# KiCad board noraneko42c.kicad_pcb (continued)
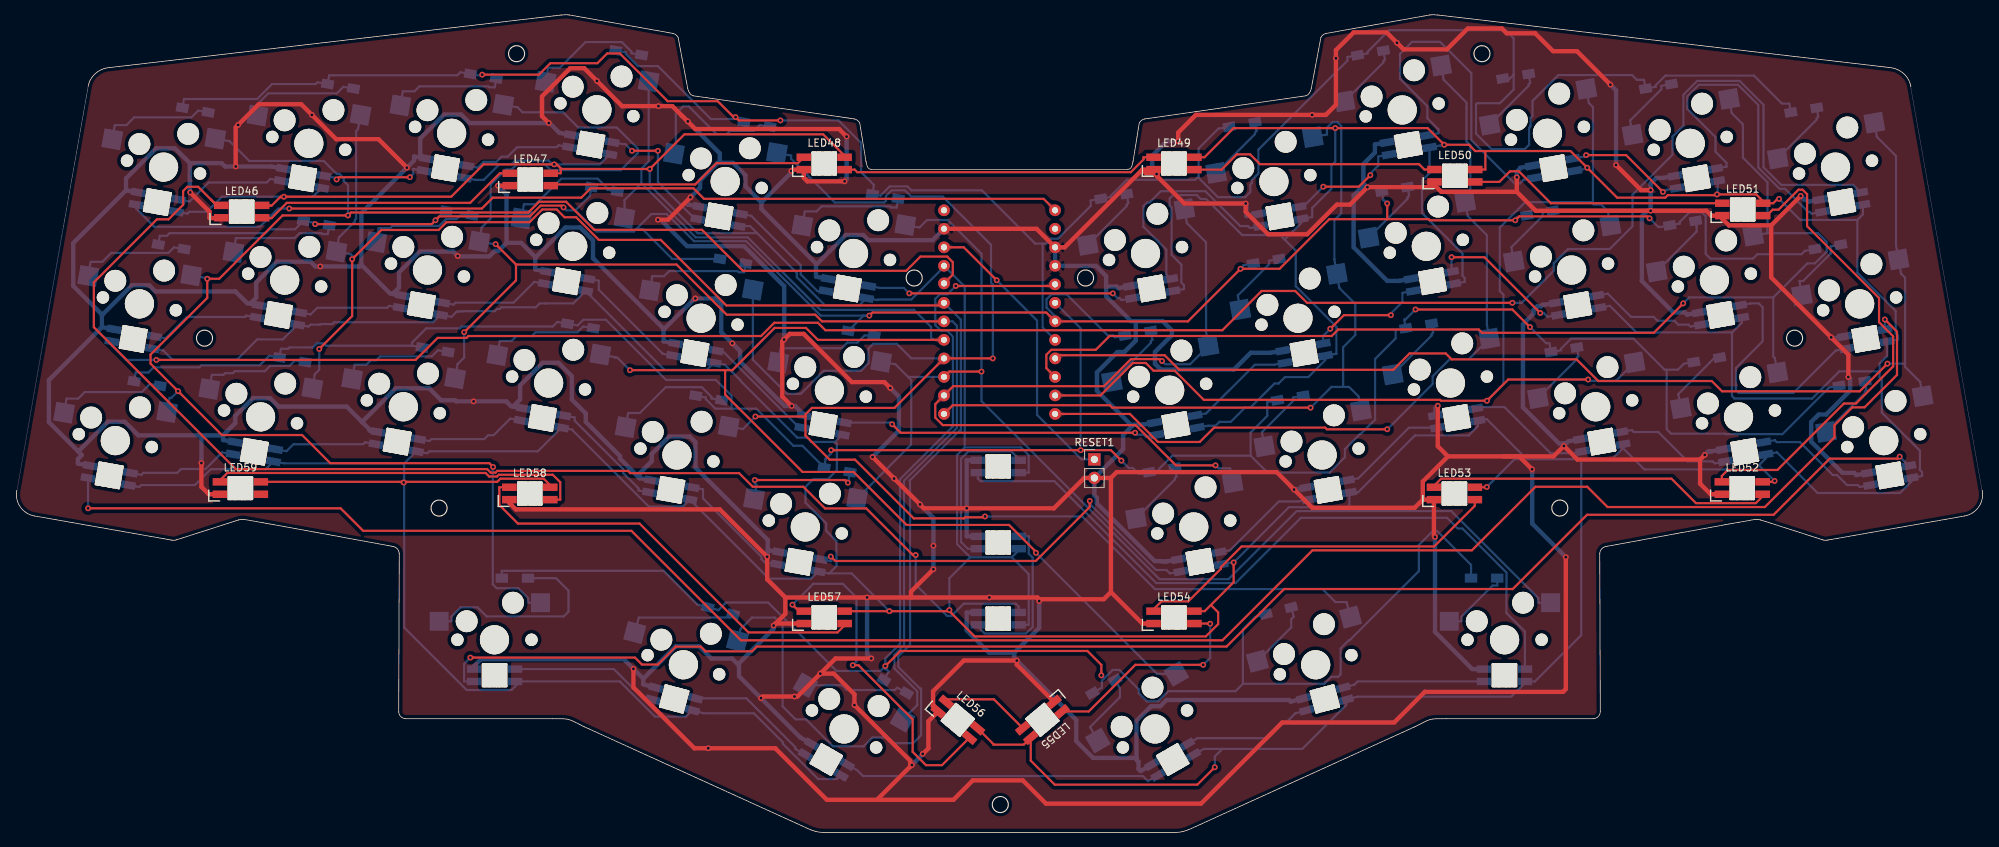
[diagram p0: board, top side]
## Routing (per net, layer and track width the routed paths; a pad name or vN(x,y) marks a point on that pad's centre or on a via; arc(x,y) is an arc through that point) (continued)
VCC: length 1298.9
  Top w0.3: 74.91,91.02 v1(87.11,91.02) 91.87,95.78 110.89,95.78 113.84,92.83 ; 74.91,91.02 74.91,90.44 LED47.1 ; 74.91,91.02 74.91,91.12 74.37,91.66 v1(74.01,91.66) 64.32,91.66 59.88,87.22 v1(36.93,87.22) 36.48,87.22 35.24,85.99 35.08,85.99 ; v1(53.36,48.01) 53.36,48.1 ; 53.36,48.1 LED59.1 ; 53.36,48.1 66.19,48.1 66.62,48.53 72.57,48.53 73.46,47.64 ; 35.08,85.99 33.86,85.99 ; 35.08,85.99 33.99,85.99 ; 164.07,31.2 163.23,30.36 LED54.1 ; 164.07,31.2 165.07,30.2 165.07,28.59 163.38,26.89 131.67,26.89 128.21,30.36 ; 164.07,31.2 167.19,34.33 v1(167.19,37.04) ; LED52.1 241.13,48.1 241.25,48.22 v1(241.39,48.22) ; LED57.1 119.98,30.36 v1(119.98,30.36) 119.98,30.36 128.21,30.36 ; LED49.1 163.19,92.64 167.18,96.63 v1(181.13,96.63) 193.8,96.63 v1(196.08,94.35) 199.47,94.35 200.33,93.48 201.71,93.48 ; v1(242,86.92) 241.79,86.92 241.19,86.33 LED51.1 ; LED56.1 134.26,12.11 134.26,12.05 138.41,12.05 LED55.1 139.37,9.84 142.65,6.56 162.22,6.56 v1(164.61,8.95) ; 128.21,30.36 v1(128.21,30.51) ; 201.71,93.48 213.4,93.48 v1(215.69,91.19) 219.79,87.09 226.39,87.09 226.72,87.43 233.38,87.43 v1(233.49,87.53) 238.87,87.53 239.81,86.59 ; 201.71,93.48 201.71,90.95 LED50.1 ; LED53.1 201.65,47.36 201.69,47.4 v1(201.91,47.4)
  Bottom w0.3: LED23.1 236.88,69.91 235.57,68.6 ; LED22.1 218.8,72.25 222.45,68.6 235.57,68.6 ; 53.44,50.63 53.44,48.01 ; 53.44,50.63 LED27.1 56.6,52.02 56.87,52.29 71.76,52.29 LED28.1 76.51,55.26 76.51,55.18 86.99,44.71 91.65,44.71 LED29.1 103.46,34.82 109.22,34.82 LED30.1 111.71,35.53 ; 53.44,50.63 37,50.63 LED26.1 34.42,49.84 26.91,49.84 24.73,47.66 17.37,47.66 17.1,47.39 LED25.1 ; 53.44,48.01 53.44,28.11 62,19.54 68.15,19.54 69.32,20.71 83.01,20.71 87.84,15.89 92.07,15.89 LED38.1 94.51,16.34 101.39,16.34 105.37,12.37 105.37,12.16 110.2,7.33 112.8,7.33 LED39.1 ; 53.44,48.01 v1(53.36,48.01) ; 235.57,68.6 235.54,68.57 235.54,59.88 235.89,59.53 246.53,59.53 250.26,63.26 255.79,63.26 ; 111.71,35.53 114.8,35.53 v1(119.98,30.36) ; 111.71,35.53 112.72,36.54 112.72,39.97 111.32,41.37 111.32,42.4 108.47,45.25 108.47,47.41 109.55,48.49 111.56,48.49 112.77,49.69 112.77,53.32 112.52,53.58 ; v1(128.21,30.51) 128.21,34.89 131.07,37.75 ; 220.59,52.73 LED34.1 ; 220.59,52.73 223.51,49.8 238.66,49.8 239.24,50.37 ; 220.59,52.73 219.08,51.21 214.86,51.21 ; 252.74,84.04 252.74,76.8 257.99,71.54 257.99,68.48 258.31,68.16 258.31,67.62 LED24.1 256.8,65.36 255.79,64.35 255.79,63.26 ; 252.74,84.04 244.88,84.04 v1(242,86.92) ; 252.74,84.04 253.49,84.79 LED12.1 ; 36.92,87.22 40.91,87.22 LED2.1 ; 36.92,87.22 28.43,87.22 26.36,85.15 23.97,85.15 23.71,84.89 LED1.1 ; 36.92,87.22 v1(36.93,87.22) ; 174.19,81.34 173.56,81.96 168.36,81.96 163.42,86.91 162.67,86.91 162.14,87.44 158.87,87.44 158.42,86.98 158.42,86 158.68,85.75 158.68,79.25 160.03,77.9 160.03,75.43 160.37,75.08 160.37,74.54 LED7.1 ; 174.19,81.34 176.45,83.6 LED8.1 177.97,84.43 177.97,85.67 180.6,88.31 180.6,91.52 181.13,92.05 v1(181.13,96.63) ; 174.19,81.34 175.7,79.82 175.7,74.94 181.28,69.36 181.28,65.67 LED20.1 179.77,64.81 177.43,62.47 174.24,62.47 173.35,61.59 172.79,61.59 169.5,58.29 168.75,58.29 166.78,56.33 165.24,56.33 164.71,55.8 163.69,55.8 LED19.1 ; 207.28,51.21 207.28,51.32 201.89,56.72 LED33.1 200.68,55.73 199.42,54.47 192.06,54.47 184.24,46.64 LED32.1 183.07,44.96 182.73,44.61 178.44,44.61 178.44,44.61 176.5,44.61 176.5,44.61 174.77,44.61 v1(167.19,37.04) 166.99,37.04 LED31.1 ; 207.28,51.21 205.73,51.21 v1(201.91,47.4) ; 207.28,51.21 214.86,51.21 ; 101.84,82.21 107.28,76.77 107.28,76.18 111.18,72.28 115.8,72.28 LED6.1 118.34,73.03 118.41,73.11 122.98,73.11 127.54,77.67 130.31,74.89 130.31,52.83 ; 101.84,82.21 93.7,82.21 87.11,88.8 v1(87.11,91.02) ; 101.84,82.21 100.87,83.19 LED5.1 ; 165.65,11.46 164.61,10.42 v1(164.61,8.95) ; 165.65,11.46 176.61,11.46 182.63,17.48 LED41.1 184.19,18.63 205.28,18.63 207.13,20.48 ; 165.65,11.46 163.09,11.46 LED40.1 ; 112.52,53.58 LED18.1 ; 112.52,53.58 109.25,53.58 108.66,54.17 107.34,54.17 99.61,61.9 99.61,61.98 97.42,64.16 LED17.1 94.94,63.46 89.14,63.46 LED16.1 76.6,72.58 72.85,72.58 72.85,72.58 72.02,72.58 71.49,72.05 66.76,72.05 66.53,71.81 66.16,71.81 65.87,71.52 61.41,71.52 61.37,71.48 60.92,71.48 60.9,71.47 60.64,71.47 59.91,70.74 LED15.1 57.38,69.99 43.84,69.99 43.59,69.74 41.97,69.74 41.9,69.67 40.58,69.67 40.31,69.4 LED14.1 36.76,67.63 33.27,67.63 30.51,64.87 21.63,64.87 20.39,66.11 LED13.1 ; 214.86,51.21 214.86,27.06 208.51,20.71 LED42.1 ; LED10.1 215.49,91.04 215.54,91.04 v1(215.69,91.19) ; LED43.1 139.09,49.36 139.09,51.75 138.01,52.83 130.31,52.83 ; LED3.1 63.21,89.53 64.36,89.53 66.48,91.66 68.11,91.66 68.64,92.19 73.24,92.19 73.77,91.66 v1(74.01,91.66) 80.25,91.66 LED4.1 ; 136.77,37.75 137.71,38.69 ; 136.77,37.75 139.09,35.43 139.09,28.48 LED45.1 ; 136.77,37.75 131.07,37.75 ; 131.07,37.75 129.27,39.54 129.27,51.79 130.31,52.83 ; LED21.1 198.88,75.53 198.88,76.07 198.58,76.38 198.58,79.43 193.03,84.98 193.03,89.44 194.06,90.47 LED9.1 195.57,94.25 195.98,94.25 v1(196.08,94.35) ; 239.24,50.37 v1(241.39,48.22) ; 239.24,50.37 240.19,51.33 LED35.1 241.7,52.14 247.28,46.57 258.57,46.57 260.09,48.09 LED36.1 261.61,48.9 261.61,49.44 261.31,49.73 261.31,52.37 256.08,57.6 256.08,62.12 255.79,62.41 255.79,63.26 ; LED11.1 233.57,87.62 v1(233.49,87.53)
COL0: length 237.8
  Top w0.3: v1(65.63,50.14) 65.1,50.66 43.3,50.66 39.43,54.52 28.44,54.52 v1(22.42,60.54) 18.65,64.31 18.65,65.56 26.42,73.34 v1(26.42,75.96) 28.07,75.96 36.75,84.65 v1(45.73,84.65) 46.13,85.05 70.45,85.05 71.93,86.53 75.64,86.53 79.5,82.68 94.27,82.68 99.9,77.05 122.28,77.05 124.24,79.01 127.91,79.01 128.67,78.24 128.67,76.53 U1.20
  Bottom w0.3: SW1.1 29.48,94.84 32.19,92.12 42.4,92.12 44.15,90.37 44.55,90.37 45.13,89.78 45.13,89.39 45.73,88.79 v1(45.73,84.65) ; v1(22.42,60.54) 21.49,59.61 21.26,59.61 SW25.1 ; SW37.1 70.45,31.51 70.45,32.14 69.09,33.5 66.12,33.5 65.59,34.03 65.59,50.1 v1(65.63,50.14) ; v1(26.42,75.96) 26.28,75.96 26.17,76.08 SW13.1
COL1: length 239.2
  Top w0.3: 127.12,72.3 97.61,72.3 88.62,81.3 80.13,81.3 77.02,84.41 75.41,84.41 74.35,85.47 72.37,85.47 70.62,83.72 59.23,83.72 58.16,82.66 50.3,82.66 v1(46.3,78.65) 46.3,70.84 v1(41.78,66.33)
  Bottom w0.3: 40.83,60.92 41.17,62.87 41.78,63.47 v1(41.78,66.33) ; v1(46.3,78.65) 46.3,79.13 46.09,79.34 SW14.1 44.48,81.63 46.68,83.82 46.68,84.04 46.85,84.21 46.85,96.24 47.1,96.5 SW2.1 ; U1.19 129.78,70.35 129.78,55.14 129.62,55.14 122.75,48.27 122.81,48.21 122.81,25.75 121.2,24.15 121.2,22.71 124.17,19.74 124.33,19.74 124.33,13.34 123.24,12.25 120.43,12.25 119.65,13.03 117.65,13.03 116.44,11.82 112.23,11.82 108.54,15.51 107.11,15.51 105.33,17.29 105.33,28.41 104.25,29.48 101.14,29.48 99.58,27.92 SW38.1
COL2: length 201.3
  Top w0.3: 127.47,70.12 110.74,70.12 109.82,71.03 97.66,71.03 90.78,77.91 68.77,77.91 ; 68.77,77.91 v1(65.97,80.71) ; 68.77,77.91 68.77,75.74 v1(61.66,68.63)
  Bottom w0.3: SW3.1 68.98,99.48 69.67,98.8 75.23,98.8 77.32,96.71 82.59,96.71 85.48,93.83 85.48,93.21 83.12,90.86 73.55,90.86 72.75,91.66 68.86,91.66 68.16,90.95 67.38,90.95 65.29,88.86 65.29,84.23 64.07,83.01 SW15.1 65.67,80.72 65.96,80.72 v1(65.97,80.71) ; SW27.1 60.76,64.25 61.66,65.15 v1(61.66,68.63) ; 127.47,70.12 128.64,70.12 129.25,69.51 129.25,55.51 121.99,48.25 121.99,25.68 120.67,24.36 120.67,22.49 123.8,19.36 123.8,17.47 SW39.1
COL3: length 203.5
  Top w0.3: v1(84.39,63.42) 97.45,63.42 ; 97.45,63.42 97.45,60.07 108.06,49.46 115.06,49.46 122.33,42.19 136.39,42.19 140.08,38.5 v1(140.08,38.37) ; 97.45,63.42 98.44,63.42 104.24,69.22 108.54,69.22 110.18,67.58 U1.17
  Bottom w0.3: 85.97,89.08 93.4,81.64 100.56,81.64 110.51,71.7 123.35,71.7 125.7,69.35 125.7,67.92 126.04,67.58 U1.17 ; 85.97,89.08 83.65,86.75 SW16.1 ; 85.97,89.08 85.97,91.07 86.96,92.06 SW4.1 ; v1(140.08,38.37) 156.69,21.75 159.33,21.75 ; SW28.1 82.28,65.22 82.36,65.15 82.67,65.15 v1(84.39,63.42)
COL4: length 223.8
  Top w0.3: v1(133.1,43.35) 132.98,43.23 130.36,43.23 130.22,43.09 123.32,43.09 115.27,51.14 111.79,51.14 108.47,54.46 108.47,57.06 ; v1(134.16,65.04) U1.16 120.68,58.25 109.36,58.25 108.47,57.36 108.47,57.06 ; 108.47,57.06 v1(101.6,57.06)
  Bottom w0.3: v1(101.6,57.06) 99.89,55.35 SW29.1 ; v1(134.16,65.04) 134.16,75.19 133.92,75.43 133.92,80.62 127.3,87.24 122.97,87.24 122.12,88.1 120.28,88.1 119.51,87.32 119.51,86.65 119.28,86.42 112.5,86.42 106.5,92.42 106.5,92.87 SW5.1 ; SW17.1 101.25,64.86 105.94,60.18 107.82,60.18 110.98,63.34 116.07,63.34 117.11,64.38 117.11,66.39 117.76,67.04 120.99,67.04 122.99,65.04 U1.16 ; v1(133.1,43.35) 146.43,43.35 156.4,33.38 179.39,33.38 181.16,31.6 182.67,31.6 SW41.1
COL5: length 165.4
  Top w0.3: U1.15 128.2,63.23 v1(132.61,63.23)
  Bottom w0.3: 122.53,62.5 120.8,64.23 SW18.1 ; 122.53,62.5 122.98,62.05 122.98,54.97 122.95,54.94 122.95,53.22 115.54,45.81 ; 122.53,62.5 U1.15 ; SW6.1 124.11,82.99 125.13,84.02 127.99,84.02 132.61,79.4 v1(132.61,63.23) 132.61,59.16 157.03,34.74 166.48,34.74 175.83,44.09 176.28,44.09 197.04,44.09 208.98,32.14 208.98,31.51 SW42.1
COL6: length 108.4
  Top w0.3: v1(157.37,64.67) 157.11,64.94 153.11,64.94 149.4,61.23 128.74,61.23 U1.14 126.27,58.76 126.27,56.91 127.3,55.88 153.75,55.88 159.27,50.36 v1(164.71,50.36)
  Bottom w0.3: SW7.1 160.79,83.58 163.41,80.96 163.41,68.71 SW19.1 161.21,64.23 157.81,64.23 v1(157.37,64.67) ; SW31.1 166.72,49.95 165.11,49.95 v1(164.71,50.36)
COL7: length 104.4
  Top w0.3: v1(177.75,58.28) 150.55,58.28 150.22,58.61 128.66,58.61 U1.13
  Bottom w0.3: SW8.1 179.99,95.75 179.99,96.68 180.76,97.45 181.43,97.45 181.95,96.93 181.95,84.95 181.01,84.01 181.01,78.59 181.7,74.7 183.88,72.51 183.88,68.25 182.21,66.58 182.21,61.13 ; v1(177.75,58.28) 180.6,61.13 182.21,61.13 ; 182.21,61.13 183.02,61.13 184.32,59.83 SW32.1
COL8: length 107.3
  Top w0.3: v1(188.26,55.31) 179.97,55.31 179.74,55.54 164.51,55.54 162.54,53.57 156.81,53.57 152.96,57.42 U1.12
  Bottom w0.3: SW21.1 199.3,84.57 201.92,81.95 201.92,69.7 SW33.1 199.45,64.94 196.85,64.94 194.49,62.58 194.49,61.54 v1(188.26,55.31) ; SW9.1 195.99,103.27 199.13,100.13 199.13,99.38 199.13,94.79 199.66,94.26 199.66,87.22
COL9: length 145.4
  Top w0.3: U1.11 148.93,59.96 153.39,64.41 155.14,64.41 156.21,63.35 159.1,63.35 163.1,59.35 195.5,59.35 195.63,59.23 v1(201.93,59.23) 204.84,62.14 v1(215.81,62.14)
  Bottom w0.3: v1(215.81,62.14) 215.99,61.96 219.64,61.96 SW34.1 ; 216.31,86.39 216.23,86.47 207.19,86.47 203.75,83.04 203.75,83.01 203.69,82.95 203.69,74.29 204.19,73.79 204.19,61.49 v1(201.93,59.23) ; 216.31,86.39 216.47,86.56 216.47,99.51 215.91,100.07 SW10.1 ; 216.31,86.39 216.39,86.31 216.55,86.16 217.58,86.16 218.53,85.2 SW22.1
COL10: length 159.6
  Top w0.3: v1(228.85,72.59) 224.81,68.54 201.27,68.54 200.81,69 181.54,69 180.64,68.11 150.18,68.11 148.28,66.22 142.19,66.22 141.51,65.53 141.51,63.7 U1.10
  Bottom w0.3: 241.2,73.4 229.66,73.4 v1(228.85,72.59) ; 241.2,73.4 241.2,65.29 241.43,65.06 SW35.1 ; 241.2,73.4 245.87,78.07 246.91,78.07 248.53,79.69 248.53,81.03 247.34,82.22 240.41,82.22 ; 240.41,82.22 240.41,89.21 237.03,92.59 237.03,97.16 235.5,98.69 SW11.1 ; 240.41,82.22 SW23.1
COL11: length 161.4
  Top w0.3: 143.14,65.47 157.73,65.47 159.73,63.47 189.08,63.47 191.32,65.72 196.28,65.72 197.09,64.91 214.23,64.91 217.2,61.93 232.77,61.93 234.18,60.52 253.07,60.52 v1(256.86,64.32)
  Bottom w0.3: 259.28,64.32 v1(256.86,64.32) ; 259.28,64.32 259.28,76.11 258.72,76.67 SW24.1 258.04,80.56 258.04,92.81 255.42,95.43 SW12.1 ; 259.28,64.32 259.28,63.87 261.35,61.8 SW36.1
LED: length 131.1
  Top w0.3: U1.1 141.14,86.92 94.56,86.92 93.11,88.38 79.02,88.38 77.73,87.09 65.58,87.09 64.08,85.6 v1(37.67,85.6)
  Bottom w0.3: LED1.4 16.68,85.57 19.16,83.09 33.64,83.09 36.15,85.6 v1(37.67,85.6)
reset: length 40.3
  Top w0.3: U1.22 130.18,80.28 v1(134.7,75.76)
  Bottom w0.3: RESET1.1 146.34,51.18 140.23,57.28 140.23,70.22 v1(134.7,75.76)
ROW0: length 340.2
  Top w0.3: v1(105.04,97.68) 99.33,97.68 v1(98.88,98.14) 98.62,98.14 96.43,100.32 89.57,100.32 83.02,106.88 81.27,106.88 79.92,105.53 73.48,105.53 71.91,103.97 v1(64.13,103.97)
  Bottom w0.3: 99.58,97.44 v1(98.88,98.14) 98.62,97.87 95.5,97.87 88.23,105.14 85.5,105.14 83.83,106.81 83.83,107.04 D4.1 ; U1.8 141,69.29 141,80.79 ; 141,80.79 141.53,80.79 142.19,81.46 143.1,81.46 147.59,85.95 147.59,86.7 D7.1 150.36,87.19 150.36,87.36 152.55,89.55 161.93,89.55 162.39,90 ; 141,80.79 139.97,80.79 132.66,88.1 123,88.1 122.47,88.63 120.02,88.63 118.76,87.37 118.76,87.37 117.64,87.57 117.84,88.69 117.84,88.85 116.09,90.6 116.09,94.59 113,97.68 v1(105.04,97.68) ; 205.6,103.96 205.07,103.43 D10.1 ; 205.6,103.96 205.6,108.95 204.48,110.07 188.53,110.07 185.57,107.11 185.57,106.88 D9.1 182.8,106.39 182.8,105.89 170.59,93.67 170.59,90.4 170.19,90 170.18,90 169.69,89.51 169.69,89.1 169.48,88.89 169.48,87.85 168.79,87.15 165.03,87.15 162.39,89.8 162.39,90 ; 205.6,103.96 205.6,101.93 203.72,100.05 200.6,100.05 200.43,99.88 200.43,95.88 202.55,93.77 207.14,93.77 207.72,94.34 207.72,96.66 207.85,96.79 207.85,96.91 207.92,96.97 207.92,98.04 208.18,98.3 208.18,100.35 211.73,103.9 221.83,103.9 222.49,103.25 223.48,103.25 D11.1 225.08,102.29 225.08,102.51 226.41,103.84 238.56,103.84 242.41,99.99 243.4,99.99 D12.1 ; D1.1 23.22,100.62 33.26,100.62 35.32,102.67 41.3,102.67 41.54,102.92 D2.1 43.14,103.88 60.71,103.88 61.13,104.3 62.52,104.06 63.9,103.81 64.06,103.97 v1(64.13,103.97) ; 162.39,90 162.39,93.84 165.11,96.57 165.2,96.57 D8.1
ROW1: length 300.7
  Top w0.3: 188.25,84.14 v1(188.25,86.29) ; 188.25,84.14 193.95,84.14 194.11,83.98 v1(205.82,83.98) 206.36,84.52 223.97,84.52 v1(224.24,84.25) ; 188.25,84.14 180.31,84.14 173.51,77.34 v1(168.14,77.34) 160.92,70.12 142.71,70.12 141.49,71.33 117.65,71.33 v1(117.22,70.91) ; v1(75.29,85.75) 75.04,86 72.15,86 70.67,84.52 58.26,84.52 v1(57.73,83.99) 57.2,83.46 v1(41.22,83.46)
  Bottom w0.3: v1(75.29,85.75) 75.69,85.34 76.91,85.34 ; 76.91,85.34 79.81,82.44 84.93,82.44 85.26,82.77 ; 76.91,85.34 78.92,87.35 D16.1 ; D20.1 168.5,77.81 168.5,77.7 v1(168.14,77.34) ; v1(205.82,83.98) 206.02,84.18 206.02,84.43 D22.1 ; 142.71,70.12 142.71,70.83 141.53,72.01 141.53,73.15 142.22,73.84 144.27,73.84 149.93,68.18 150.66,68.18 150.9,67.94 D19.1 ; D18.1 116.43,70.91 v1(117.22,70.91) 110.55,70.91 100.34,81.11 93.18,81.11 89.45,84.84 87.34,84.84 85.26,82.77 ; v1(57.73,83.99) 59.03,85.3 ; D17.1 90.19,78.68 86.1,82.77 85.26,82.77 ; D24.1 245.53,79.79 245.07,79.32 239.01,79.32 238.41,78.73 232.58,78.73 231.93,79.37 231.93,84.56 231.44,85.06 229.68,85.06 228.38,83.76 228.38,83.53 D23.1 225.61,83.04 225.57,83.09 225.4,83.09 v1(224.24,84.25) ; v1(188.25,86.29) 187.82,86.73 187.7,86.73 D21.1 ; D13.1 19.92,81.86 20.91,81.86 21.27,82.22 34.44,82.22 34.97,82.75 38.46,82.75 D14.1 41.01,83.67 v1(41.22,83.46)
ROW2: length 329.3
  Top w0.3: v1(207.84,69.32) 205.42,71.75 v1(192.13,71.75) ; v1(111.99,52.44) v1(146.21,52.44) 150.36,52.44 v1(151.8,51.01)
  Bottom w0.3: U1.6 146.21,69.16 v1(146.21,52.44) ; D25.1 16.61,63.1 18.35,63.1 19.05,63.8 25.34,63.8 25.62,64.08 33.61,64.08 34.93,65.4 D26.1 36.53,66.36 37.52,66.36 37.7,66.54 40.89,66.54 41.46,67.11 42.38,67.11 42.71,66.78 54.52,66.78 ; 226.58,63.48 226.58,55.32 227.19,54.71 234.59,54.71 234.66,54.64 242.45,54.64 248.84,61.03 D36.1 ; 226.58,63.48 228.12,63.48 228.92,64.28 D35.1 ; 226.58,63.48 226.3,63.48 222.05,67.73 213.45,67.73 212.1,66.38 212.1,66.15 D34.1 210.51,67.11 210.05,67.11 v1(207.84,69.32) ; 98.33,58.14 98.33,59.92 96.17,62.09 89.34,62.09 81.09,70.34 78,70.34 77.21,69.55 D28.1 74.43,70.04 73.81,69.41 61.34,69.41 61.08,69.15 56.44,69.15 54.52,67.23 54.52,66.78 ; 98.33,58.14 101.71,58.14 106.81,53.05 108.06,53.05 111.03,50.07 111.24,51.25 111.24,51.26 111.99,52.01 v1(111.99,52.44) ; 98.33,58.14 96.11,58.14 94.81,59.45 94.81,59.68 D29.1 ; 169.52,51.69 158.78,51.69 156.98,49.89 156.98,49.66 D31.1 154.21,49.18 153.38,50.01 152.8,50.01 v1(151.8,51.01) ; 169.52,51.69 169.52,54.86 171.81,57.16 171.81,59.05 D32.1 ; 169.52,51.69 171.83,49.37 180.35,49.37 182.44,51.47 182.44,52.58 184.52,54.66 184.62,54.66 186.59,56.64 186.59,64.96 189.41,67.78 189.41,68.92 D33.1 190.59,70.37 190.76,70.37 v1(192.13,71.75) ; 54.52,66.78 55.9,66.54
ROW3: length 253.3
  Top w0.3: v1(119.42,22.82) 121.49,24.9 147.14,24.9 149.05,22.99 v1(149.05,21.54) ; v1(129.08,74.98) 142.49,74.98
  Bottom w0.3: 168.47,20.39 179.63,20.39 180.59,21.36 181.54,21.36 181.86,21.68 181.86,25.25 182.95,26.34 183.08,26.34 192.59,35.85 192.59,39.43 194.48,41.33 195.13,41.33 199.75,36.71 D42.1 ; 168.47,20.39 168.47,27.87 170.17,29.56 D41.1 ; 168.47,20.39 167.45,19.38 158.23,19.38 156.84,17.99 155.29,17.99 154.18,19.09 154.18,19.63 151.51,22.3 150.6,22.3 149.45,21.14 ; 149.45,21.14 v1(149.05,21.54) ; 149.45,21.14 149.12,20.81 149.12,19.87 149.12,19.87 D40.1 ; D39.1 119.89,22.07 119.56,22.4 119.43,22.4 119.38,22.46 119.38,22.78 v1(119.42,22.82) ; D37.1 66.82,35.89 89.01,35.89 93.63,31.27 96.52,30.5 97.57,31.55 103.34,31.55 112.73,22.16 118.75,22.16 v1(119.42,22.82) ; v1(119.42,22.82) 119.42,23.87 121.44,25.88 121.44,48.45 128.69,55.7 128.69,68.03 127.87,68.85 127.04,68.85 126.27,69.61 126.27,73.21 126.9,73.84 127.94,73.84 v1(129.08,74.98)
Net-(D1-Pad2): length 15.6
  Bottom w0.3: SW1.2 13.74,97.04 15.35,97.04 16.41,98.11 24.25,98.11 25.17,99.04 D1.2
Net-(D2-Pad2): length 15.6
  Bottom w0.3: SW2.2 33.65,100.26 34.79,101.4 44.2,101.4 45.09,102.29 D2.2
Net-(D3-Pad2): length 16.1
  Bottom w0.3: D3.2 65.85,102.23 65.1,102.23 64.97,102.36 55.53,102.36 54.85,101.68 53.25,101.68 SW3.2
Net-(D4-Pad2): length 17
  Bottom w0.3: SW4.2 73.18,104.91 74.78,104.91 78.3,108.43 83.29,108.43 84.6,107.12 84.6,106.9 D4.2
Net-(D5-Pad2): length 20.9
  Bottom w0.3: SW5.2 90.68,94.58 90.68,98.61 91.68,99.61 92.48,99.61 96.27,95.81 97.66,95.81 98.1,96.25 101.39,96.25 102.2,97.06 D5.2
Net-(D6-Pad2): length 16.2
  Bottom w0.3: SW6.2 108.37,85.19 109.98,85.19 110.67,85.89 120.07,85.89 120.23,85.74 120.97,85.74 D6.2
Net-(D7-Pad2): length 9.3
  Bottom w0.3: D7.2 152.74,86.36 152.52,86.15 152.52,85.94 SW7.2
Net-(D8-Pad2): length 9.3
  Bottom w0.3: SW8.2 170.13,95.82 170.13,96.03 170.34,96.24 D8.2
Net-(D9-Pad2): length 9.3
  Bottom w0.3: SW9.2 187.73,105.64 187.73,105.84 187.94,106.06 D9.2
Net-(D10-Pad2): length 9.3
  Bottom w0.3: SW10.2 207.65,102.43 207.65,102.64 207.86,102.85 D10.2
Net-(D11-Pad2): length 9.9
  Bottom w0.3: SW11.2 221.56,97.67 225.85,101.95 225.85,102.43 D11.2
Net-(D12-Pad2): length 9.3
  Bottom w0.3: SW12.2 247.15,97.79 247.15,98 247.37,98.21 D12.2
Net-(D13-Pad2): length 15.6
  Bottom w0.3: SW13.2 10.43,78.28 12.04,78.28 13.26,79.51 21.1,79.51 21.86,80.27 D13.2
Net-(D14-Pad2): length 16.1
  Bottom w0.3: D14.2 42.96,82.09 42.21,82.09 42.07,82.22 39.07,82.22 38.39,81.54 30.35,81.54 SW14.2
Net-(D15-Pad2): length 15.6
  Bottom w0.3: D15.2 61.37,84.92 60.61,84.15 59.18,84.15 58.23,83.21 51.83,83.21 51.54,82.92 49.94,82.92 SW15.2
Net-(D16-Pad2): length 17
  Bottom w0.3: D16.2 81.29,88.17 81.29,88.39 79.97,89.7 74.98,89.7 71.46,86.18 69.86,86.18 SW16.2
Net-(D17-Pad2): length 16.2
  Bottom w0.3: D17.2 100.06,76.85 99.32,76.85 99.15,77.01 89.77,77.01 89.07,76.31 87.46,76.31 SW17.2
Net-(D18-Pad2): length 15.5
  Bottom w0.3: SW18.2 105.06,66.43 113.44,66.43 114.2,67.2 115.59,67.2 116.57,68.18 D18.2
Net-(D19-Pad2): length 9.3
  Bottom w0.3: D19.2 156.04,67.6 155.83,67.39 155.83,67.18 SW19.2
Net-(D20-Pad2): length 9.9
  Bottom w0.3: SW20.2 167.76,73.67 172.05,77.96 172.05,78.44 D20.2
Net-(D21-Pad2): length 9.3
  Bottom w0.3: SW21.2 191.04,86.93 191.04,87.14 191.25,87.35 191.25,87.35 D21.2
Net-(D22-Pad2): length 9.9
  Bottom w0.3: D22.2 209.57,85.05 209.57,84.58 205.28,80.29 SW22.2
Net-(D23-Pad2): length 9.2
  Bottom w0.3: SW23.2 230.68,82.43 230.68,83.12 D23.2
Net-(D24-Pad2): length 10.2
  Bottom w0.3: D24.2 249.08,80.41 249.08,79.44 245.29,75.65 244.79,75.65 SW24.2
Net-(D25-Pad2): length 15.6
  Bottom w0.3: D25.2 18.55,61.51 17.46,60.41 9.62,60.41 8.73,59.52 7.13,59.52 SW25.2
Net-(D26-Pad2): length 15.6
  Bottom w0.3: D26.2 38.47,64.77 37.7,64 35.03,64 34.3,63.27 30.2,63.27 29.92,63 28.87,63 28.65,62.78 27.04,62.78 SW26.2
Net-(D27-Pad2): length 15.6
  Bottom w0.3: SW27.2 46.63,64.16 48.24,64.16 48.85,64.77 49.6,64.77 50.13,65.31 57.22,65.31 58.06,66.15 D27.2
Net-(D28-Pad2): length 15.6
  Bottom w0.3: D28.2 77.98,69.41 77.19,68.62 71.45,68.62 70.92,68.09 68.83,68.09 68.15,67.42 66.55,67.42 SW28.2
Net-(D29-Pad2): length 17
  Bottom w0.3: SW29.2 84.15,57.55 85.76,57.55 89.3,61.09 94.25,61.09 95.58,59.75 95.58,59.54 D29.2
Net-(D30-Pad2): length 17.2
  Top w0.3: v1(114.28,47.99) 113.92,48.35 v1(101.51,48.35)
  Bottom w0.3: v1(114.28,47.99) 114.36,48.07 114.36,48.22 D30.2 ; v1(101.51,48.35) 101.51,47.92 101.76,47.67 SW30.2
Net-(D31-Pad2): length 9.3
  Bottom w0.3: SW31.2 159.14,48.42 159.14,48.63 159.35,48.84 D31.2
Net-(D32-Pad2): length 9.9
  Bottom w0.3: SW32.2 171.07,54.91 175.36,59.2 175.36,59.68 D32.2
Net-(D33-Pad2): length 9.3
  Bottom w0.3: D33.2 194.56,68.59 194.56,68.59 194.35,68.38 194.35,68.17 SW33.2
Net-(D34-Pad2): length 9.3
  Bottom w0.3: SW34.2 214.26,64.91 214.26,65.12 214.48,65.33 D34.2
Net-(D35-Pad2): length 9.7
  Bottom w0.3: D35.2 233.03,65.01 232.47,64.45 232.47,64.43 228.18,60.15 SW35.2
Net-(D36-Pad2): length 9.3
  Bottom w0.3: D36.2 253.98,60.69 253.77,60.48 253.77,60.27 SW36.2
Net-(D37-Pad2): length 28.8
  Bottom w0.3: SW37.2 59.91,28.97 59.91,29.6 61.18,30.87 63.5,30.87 64.74,29.63 75.31,29.63 75.97,30.29 75.97,33.17 74.25,34.88 D37.2
Net-(D38-Pad2): length 15.3
  Bottom w0.3: D38.2 98.08,29.48 85.61,29.48 SW38.2
Net-(D39-Pad2): length 14.5
  Bottom w0.3: D39.2 121.05,19.87 120.72,19.54 114.1,19.54 113.45,20.19 SW39.2
Net-(D40-Pad2): length 10.5
  Bottom w0.3: SW40.2 147.5,14.45 151.61,18.56 151.61,19.76 D40.2
Net-(D41-Pad2): length 9.5
  Bottom w0.3: SW41.2 175.09,28.13 175.09,29.25 175.44,29.59 D41.2
Net-(D42-Pad2): length 10
  Bottom w0.3: SW42.2 198.44,28.97 198.44,29.6 202.72,33.88 203.35,33.88 D42.2
Net-(LED1-Pad2): length 15.4
  Bottom w0.3: LED2.4 35.08,89.66 34.59,89.17 26.61,89.17 24,86.56 LED1.2
Net-(LED2-Pad2): length 14.9
  Top w0.3: v1(44.16,89.59) 44.46,89.89 v1(54.21,89.89)
  Bottom w0.3: v1(54.21,89.89) 54.67,90.35 54.67,91.04 LED3.4 ; v1(44.16,89.59) 43.92,89.83 LED2.2
Net-(LED3-Pad2): length 15.4
  Bottom w0.3: LED4.4 74.6,94.27 74.33,94.01 68.91,94.01 67.63,92.72 66.79,92.72 66.08,92 64.31,92 63.51,91.21 LED3.2
Net-(LED4-Pad2): length 18.2
  Top w0.3: v1(88.23,93.52) v1(84.67,93.52)
  Bottom w0.3: 93.32,84.16 88.23,89.25 v1(88.23,93.52) ; LED4.2 83.44,94.44 83.75,94.44 v1(84.67,93.52)
Net-(LED5-Pad2): length 16.8
  Bottom w0.3: LED6.4 110.11,74.27 107.81,76.57 107.81,77.82 101.04,84.59 LED5.2
Net-(LED6-Pad2): length 37
  Top w0.3: v1(122.71,73.96) v1(150.63,73.96)
  Bottom w0.3: v1(122.71,73.96) 121.95,74.71 118.63,74.71 LED6.2 ; v1(150.63,73.96) 151.29,73.3 151.56,73.3 151.83,73.03 LED7.4
Net-(LED7-Pad2): length 30.6
  Bottom w0.3: LED7.2 157.96,76.55 157.96,79.96 154.87,83.06 154.82,83.06 154.82,85.93 155.31,86.42 155.65,86.42 157.2,87.97 163.32,87.97 168.1,83.19 169.16,83.19 169.42,82.92 LED8.4
Net-(LED8-Pad2): length 15.6
  Top w0.3: v1(185.94,90.17) 184.37,88.6 v1(179.49,88.6)
  Bottom w0.3: LED9.4 187.03,92.74 187.03,91.49 185.94,90.4 v1(185.94,90.17) ; v1(179.49,88.6) 176.73,85.83
Net-(LED10-Pad2): length 16.7
  Top w0.3: v1(226.07,87.87) 221.01,92.93 v1(215.54,92.93)
  Bottom w0.3: LED11.4 226.54,88.15 226.26,87.87 v1(226.07,87.87) ; LED10.2 215.2,92.71 215.33,92.71 v1(215.54,92.93)
Net-(LED10-Pad4): length 47.4
  Bottom w0.3: LED10.4 206.95,89.53 206.47,89.05 205.72,89.05 199.8,94.98 199.8,104.17 195.5,108.47 191.66,108.47 190.01,106.82 190.01,103.4 193.77,99.64 193.77,97.98 195.28,96.46 195.28,95.92 LED9.2
Net-(LED11-Pad2): length 45
  Bottom w0.3: LED12.4 246.46,84.89 246.19,85.15 245.96,85.15 242.81,88.31 242.06,88.31 239.15,91.22 239.15,99.8 236.37,102.58 230.99,102.58 229.41,101 229.41,99.27 233.28,95.4 233.28,93.39 234.79,91.87 234.79,91.33 LED11.2
Net-(LED12-Pad2): length 277.7
  Top w0.3: v1(205.43,72.66) 177.26,72.66 175.64,74.29 171.03,74.29 165.64,68.9 111.2,68.9 110.18,69.93 104.2,69.93 102.38,68.11 62.24,68.11 61.98,67.85 58.02,67.85 55,64.83 v1(19.45,64.83)
  Bottom w0.3: LED13.4 13.37,66.8 15.34,64.83 v1(19.45,64.83) ; v1(205.43,72.66) 206.69,72.66 211.1,77.06 211.1,78.08 213.05,80.04 218.77,80.04 221.9,83.16 221.9,87.49 227.38,92.97 227.38,95.46 228.88,96.97 228.88,101.21 230.78,103.11 236.59,103.11 239.86,99.83 239.86,91.25 242.28,88.84 252.15,88.84 LED12.2
Net-(LED13-Pad2): length 15.4
  Bottom w0.3: LED14.4 31.77,70.91 31.58,70.72 23.62,70.72 20.69,67.79 LED13.2
Net-(LED14-Pad2): length 14.3
  Bottom w0.3: LED14.2 40.61,71.07 41.51,71.98 51.1,71.98 51.37,72.25 LED15.4
Net-(LED15-Pad2): length 15.4
  Bottom w0.3: LED16.4 71.28,75.53 68.43,72.68 60.47,72.68 60.21,72.41 LED15.2
Net-(LED16-Pad2): length 16.7
  Bottom w0.3: LED17.4 88.88,65.67 88.88,65.69 80.12,74.45 80.12,75.7 78.61,75.96
Net-(LED17-Pad2): length 15
  Bottom w0.3: 97.05,66.1 107.62,55.53
Net-(LED18-Pad2): length 43.7
  Top w0.3: v1(153.68,54.84) 121.52,54.84 v1(120.36,56)
  Bottom w0.3: LED18.2 120.12,56.23 v1(120.36,56) ; LED19.4 155.15,54.29 154.88,54.56 153.95,54.56 v1(153.68,54.84)
Net-(LED19-Pad2): length 15.2
  Bottom w0.3: LED19.2 163.4,57.47 170.09,64.16 172.74,64.16 LED20.4
Net-(LED20-Pad2): length 16.8
  Top w0.3: v1(188.76,70.97) 182.31,70.97 v1(180.45,69.1)
  Bottom w0.3: LED21.4 190.34,74.02 190.34,72.78 188.76,71.2 v1(188.76,70.97) ; v1(180.45,69.1) 179.48,68.13 LED20.2
Net-(LED21-Pad2): length 20.1
  Top w0.3: v1(209.24,71.26) 201.59,78.92 v1(197.08,78.92)
  Bottom w0.3: LED21.2 v1(197.08,78.92) ; LED22.4 210.25,70.74 209.73,71.26 v1(209.24,71.26)
Net-(LED22-Pad2): length 16.3
  Bottom w0.3: LED22.2 218.5,73.92 221.69,70.73 224.8,70.73 225.33,70.2 227.65,70.2 228.18,69.67 229.59,69.67 229.85,69.4 LED23.4
Net-(LED23-Pad2): length 34.1
  Bottom w0.3: LED24.4 249.77,66.11 243.96,60.31 236.44,60.31 236.07,60.68 236.07,63.71 239.74,67.38 239.74,72.06 239.22,72.57 238.05,72.57 LED23.2
Net-(LED24-Pad2): length 287.8
  Top w0.3: v1(10.08,44.47) 44.72,44.47 47.81,41.37 84.6,41.37 99.62,26.36 165.66,26.36 178.01,38.71 199.87,38.71 208.59,47.42 215.69,47.42 218.47,44.65 240.05,44.65 249.6,54.2 249.6,55.88 252.04,58.32 253.72,58.32 258.17,62.77 258.17,68.71 v1(256.51,70.37)
  Bottom w0.3: v1(10.08,44.47) 10.07,44.47 LED25.4 ; LED24.2 v1(256.51,70.37)
Net-(LED25-Pad2): length 15.4
  Bottom w0.3: LED26.4 28.46,52.14 26.18,49.86 22.84,49.86 22.31,49.33 17.66,49.33 17.4,49.06 LED25.2
